# Altium PCB PCB_v6.PcbDoc (part 1 of 7) (continued)
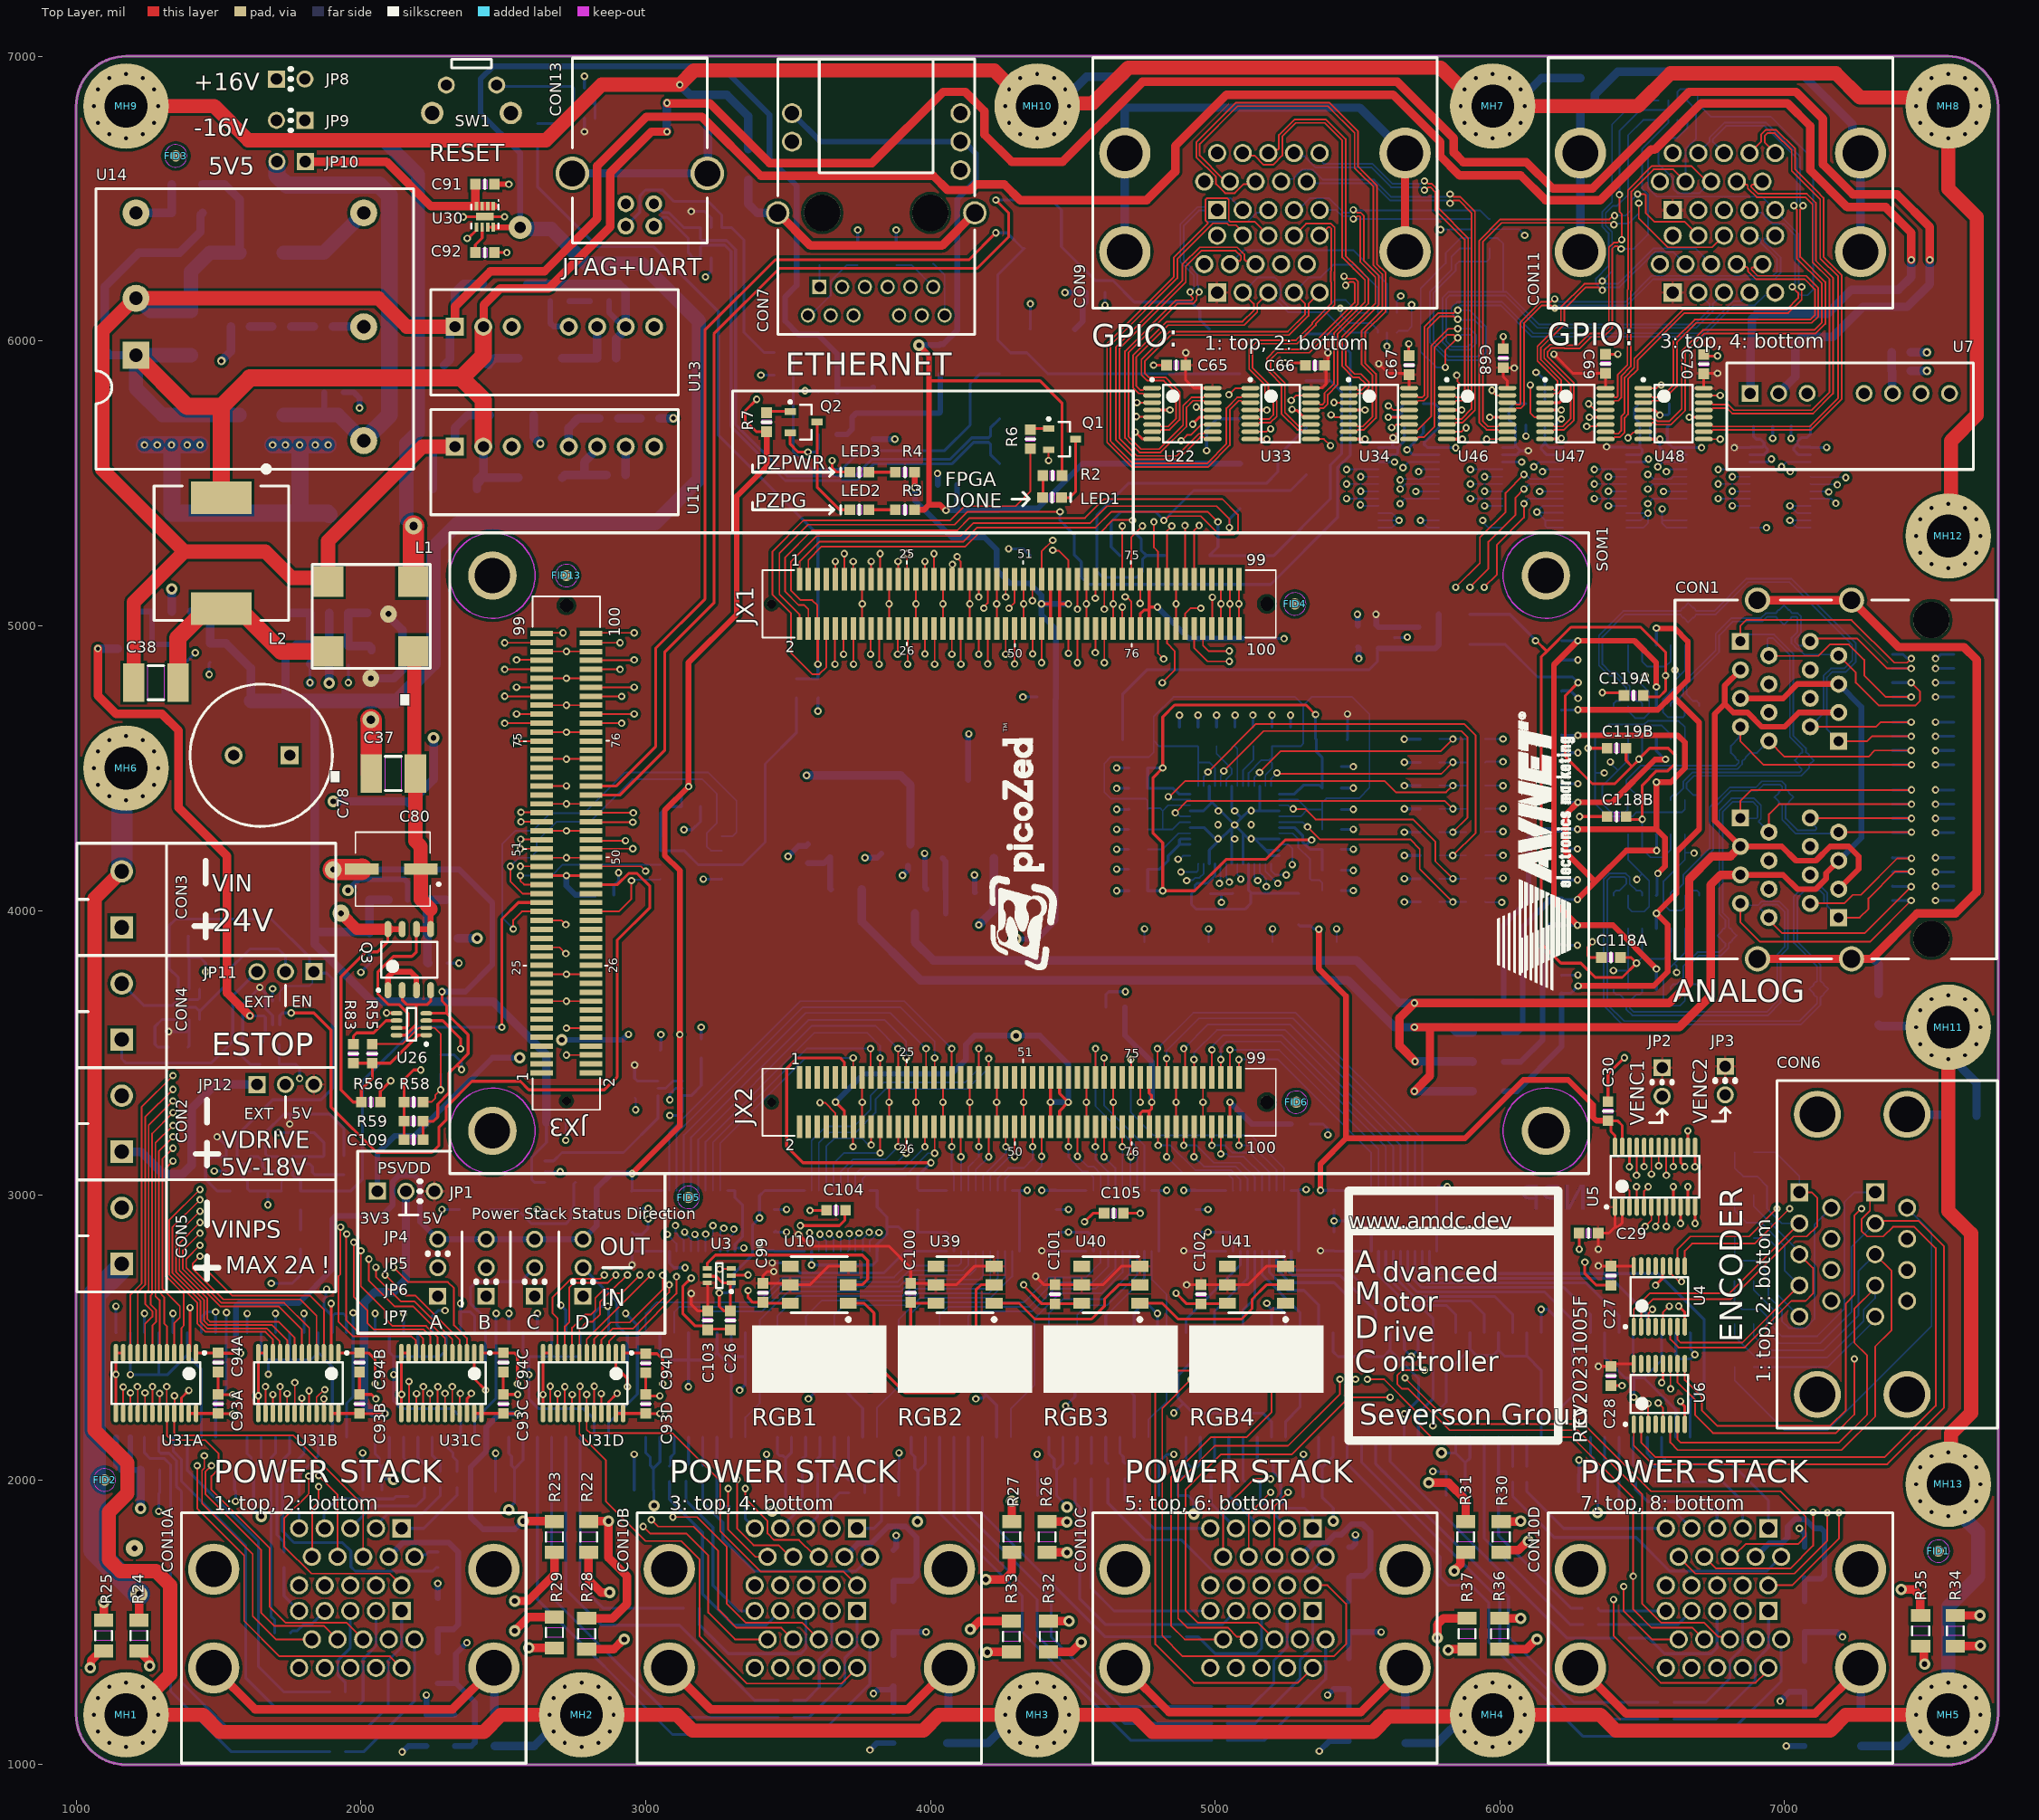
[diagram p0: Top Layer view]
## Components (designator, comment, footprint, x,y, rotation, side; value= is the part's Value field where it differs from the comment) (continued)
C54 "Capacitor" 0603-CAP 2704.68,2949.37 r180 bottom value=10uF
C55 "Capacitor" 0603-CAP 3640,5821.61 r180 bottom value=10uF
C56 "Capacitor" 0603-CAP 3640,5671.61 r180 bottom value=10uF
C57 "Capacitor" 0603-CAP 4190,4063.9 r0 bottom value=1uF
C58 "Capacitor" 0603-CAP 4020,4075 r0 bottom value=1uF
C59 "Capacitor" 0603-CAP 3930,4199.73 r270 bottom value=1uF
C60 "Capacitor" 0603-CAP 3570,4199.73 r90 bottom value=1uF
C61 "Capacitor" 0603-CAP 1821.84,4900 r270 bottom value=10uF
C62 "Capacitor" 0603-CAP 1955.84,4895.75 r270 bottom value=10uF
C63 "Capacitor" 0603-CAP 1470.39,4905 r270 bottom value=10uF
C64 "Capacitor" 0603-CAP 1336.39,4900.75 r270 bottom value=10uF
C65 "Capacitor" 0603-CAP 4863.35,5915 r180 top value=0.1uF
C66 "Capacitor" 0603-CAP 5350.95,5914.3 r180 top value=0.1uF
C67 "Capacitor" 0603-CAP 5681.3,5915 r90 top value=0.1uF
C68 "Capacitor" 0603-CAP 6011.93,5939.51 r90 top value=0.1uF
C69 "Capacitor" 0603-CAP 6371.46,5920 r90 top value=0.1uF
C70 "Capacitor" 0603-CAP 6716.3,5918.69 r90 top value=0.1uF
C71A "Capacitor" 0603-CAP 5417.97,2837.17 r90 bottom value=0.1uF (schematic designator C71)
C71B "Capacitor" 0603-CAP 4932.31,2837.17 r90 bottom value=0.1uF (schematic designator C71)
C71C "Capacitor" 0603-CAP 4442.31,2837.17 r90 bottom value=0.1uF (schematic designator C71)
C71D "Capacitor" 0603-CAP 3954.9,2837.17 r90 bottom value=0.1uF (schematic designator C71)
C71E "Capacitor" 0603-CAP 3452.31,2837.17 r90 bottom value=0.1uF (schematic designator C71)
C71F "Capacitor" 0603-CAP 2952.31,2837.17 r90 bottom value=0.1uF (schematic designator C71)
C72A "Capacitor" 0603-CAP 5845,2030 r180 bottom value=1uF (schematic designator C72)
C72B "Capacitor" 0603-CAP 4835.7,2011.73 r180 bottom value=1uF (schematic designator C72)
C72C "Capacitor" 0603-CAP 3922.59,2030 r180 bottom value=1uF (schematic designator C72)
C72D "Capacitor" 0603-CAP 2993.46,2040 r180 bottom value=1uF (schematic designator C72)
C72E "Capacitor" 0603-CAP 2040,2045 r180 bottom value=1uF (schematic designator C72)
C72F "Capacitor" 0603-CAP 1260,2035 r0 bottom value=1uF (schematic designator C72)
C73A "Capacitor" 0603-CAP 5845,1945 r180 bottom value=0.1uF (schematic designator C73)
C73B "Capacitor" 0603-CAP 4835.7,1945.02 r180 bottom value=0.1uF (schematic designator C73)
C73C "Capacitor" 0603-CAP 3922.59,1945 r180 bottom value=0.1uF (schematic designator C73)
C73D "Capacitor" 0603-CAP 2993.46,1965 r180 bottom value=0.1uF (schematic designator C73)
C73E "Capacitor" 0603-CAP 2040,1965 r180 bottom value=0.1uF (schematic designator C73)
C73F "Capacitor" 0603-CAP 1260,1955 r0 bottom value=0.1uF (schematic designator C73)
C74A "Capacitor" 0603-CAP 5417.97,2982.83 r90 bottom value=0.1uF (schematic designator C74)
C74B "Capacitor" 0603-CAP 4932.31,2982.83 r90 bottom value=0.1uF (schematic designator C74)
C74C "Capacitor" 0603-CAP 4442.31,2982.83 r90 bottom value=0.1uF (schematic designator C74)
C74D "Capacitor" 0603-CAP 3954.9,2982.83 r90 bottom value=0.1uF (schematic designator C74)
C74E "Capacitor" 0603-CAP 3452.31,2982.83 r90 bottom value=0.1uF (schematic designator C74)
C74F "Capacitor" 0603-CAP 2952.31,2982.83 r90 bottom value=0.1uF (schematic designator C74)
C75A "Capacitor" 0603-CAP 6310,2020 r180 bottom value=1uF (schematic designator C75)
C75B "Capacitor" 0603-CAP 5342.2,2001.3 r180 bottom value=1uF (schematic designator C75)
C75C "Capacitor" 0603-CAP 4410,2035 r180 bottom value=1uF (schematic designator C75)
C75D "Capacitor" 0603-CAP 3458.18,2045 r180 bottom value=1uF (schematic designator C75)
C75E "Capacitor" 0603-CAP 2506.41,2040 r180 bottom value=1uF (schematic designator C75)
C75F "Capacitor" 0603-CAP 1590,2045 r180 bottom value=1uF (schematic designator C75)
C76A "Capacitor" 0603-CAP 6309.83,1958.7 r180 bottom value=0.1uF (schematic designator C76)
C76B "Capacitor" 0603-CAP 5342.2,1940 r180 bottom value=0.1uF (schematic designator C76)
C76C "Capacitor" 0603-CAP 4410,1945 r180 bottom value=0.1uF (schematic designator C76)
C76D "Capacitor" 0603-CAP 3458.18,1987.86 r180 bottom value=0.1uF (schematic designator C76)
C76E "Capacitor" 0603-CAP 2506.41,1960 r180 bottom value=0.1uF (schematic designator C76)
C76F "Capacitor" 0603-CAP 1590,1965 r180 bottom value=0.1uF (schematic designator C76)
C77A "Capacitor" 0603-CAP 5754.67,4356.75 r180 bottom value=33nF (schematic designator C77)
C77B "Capacitor" 0603-CAP 5754.67,4520.24 r180 bottom value=33nF (schematic designator C77)
C78 "Cap Pol1" "CAP - UVR1H102MHD1TO" 1750,4545 r180 top value=1000uF
C79A "Capacitor" 0603-CAP 5754.67,4029.76 r180 bottom value=33nF (schematic designator C79)
C79B "Capacitor" 0603-CAP 5754.67,4193.26 r180 bottom value=33nF (schematic designator C79)
C80 "Cap Pol1" "CAP - UWT1V101MCL1GS" 2243,4015 r180 top value=100uF
C81A "Capacitor" 0603-CAP 5754.67,4438.5 r180 bottom value=33nF (schematic designator C81)
C81B "Capacitor" 0603-CAP 5754.67,4601.99 r180 bottom value=33nF (schematic designator C81)
C82A "Capacitor" 0603-CAP 6216.65,4913.8 r90 bottom value=1uF (schematic designator C82)
C82B "Capacitor" 0603-CAP 6216.65,4582.96 r90 bottom value=1uF (schematic designator C82)
C83 "Capacitor" 0603-CAP 2855,4055 r180 bottom value=10uF
C84A "Capacitor" 0603-CAP 6216.65,4736.72 r90 bottom value=1uF (schematic designator C84)
C84B "Capacitor" 0603-CAP 6216.65,4410.88 r90 bottom value=1uF (schematic designator C84)
C85A "Capacitor" 0603-CAP 6216.65,3915.47 r90 bottom value=1uF (schematic designator C85)
C85B "Capacitor" 0603-CAP 6216.65,4249.64 r90 bottom value=1uF (schematic designator C85)
C86A "Capacitor" 0603-CAP 5754.67,4111.51 r180 bottom value=33nF (schematic designator C86)
C86B "Capacitor" 0603-CAP 5754.67,4275 r180 bottom value=33nF (schematic designator C86)
C87 "Capacitor" 0603-CAP 4649.51,3660 r0 bottom value=10uF
C88A "Capacitor" 0603-CAP 6216.65,3738.39 r90 bottom value=1uF (schematic designator C88)
C88B "Capacitor" 0603-CAP 6216.65,4072.56 r90 bottom value=1uF (schematic designator C88)
C89 "Capacitor" 0603-CAP 5130,4955 r180 bottom value=10uF
C90 "Capacitor" 0603-CAP 5299.66,3250 r180 bottom value=10uF
C91 "Capacitor" 0603-CAP 2435.58,6550.47 r180 top value=1uF
C92 "Capacitor" 0603-CAP 2435.58,6310.47 r180 top value=0.1uF
C93A "Capacitor" 0603-CAP 1498.77,2267.17 r90 top value=0.1uF (schematic designator C93)
C93B "Capacitor" 0603-CAP 1995.3,2267.17 r90 top value=0.1uF (schematic designator C93)
C93C "Capacitor" 0603-CAP 2500.3,2267.17 r90 top value=0.1uF (schematic designator C93)
C93D "Capacitor" 0603-CAP 3000.3,2267.17 r90 top value=0.1uF (schematic designator C93)
C93E "Capacitor" 0603-CAP 5698.15,5705 r0 bottom value=0.1uF (schematic designator C93)
C93F "Capacitor" 0603-CAP 6562,5780 r0 bottom value=0.1uF (schematic designator C93)
C93G "Capacitor" 0603-CAP 6125,5780 r0 bottom value=0.1uF (schematic designator C93)
C93H "Capacitor" 0603-CAP 6923.79,5700.75 r0 bottom value=0.1uF (schematic designator C93)
C94A "Capacitor" 0603-CAP 1498.77,2412.83 r270 top value=0.1uF (schematic designator C94)
C94B "Capacitor" 0603-CAP 1995.3,2412.83 r270 top value=0.1uF (schematic designator C94)
C94C "Capacitor" 0603-CAP 2500.3,2412.83 r270 top value=0.1uF (schematic designator C94)
C94D "Capacitor" 0603-CAP 3000.3,2410 r270 top value=0.1uF (schematic designator C94)
C94E "Capacitor" 0603-CAP 5698.15,5780 r180 bottom value=0.1uF (schematic designator C94)
C94F "Capacitor" 0603-CAP 6562,5705 r180 bottom value=0.1uF (schematic designator C94)
C94G "Capacitor" 0603-CAP 6125,5705 r180 bottom value=0.1uF (schematic designator C94)
C94H "Capacitor" 0603-CAP 7057.01,5702.05 r180 bottom value=0.1uF (schematic designator C94)
C95 "Capacitor" 1812-CAP 6960,5980 r0 bottom value="6.8uF, 50V"
C96 "Capacitor" 0603-CAP 7410,5895 r180 bottom value=10uF
C97 "Capacitor" 0603-CAP 7410,5960 r180 bottom value=10uF
C98 "Capacitor" 0603-CAP 5535,5000 r0 bottom value=1uF
C99 "Capacitor" 0603-CAP 3411.91,2656.89 r90 top value=0.1uF
C100 "Capacitor" 0603-CAP 3930.89,2656.89 r90 top value=0.1uF
C101 "Capacitor" 0603-CAP 4437.89,2652.05 r90 top value=0.1uF
C102 "Capacitor" 0603-CAP 4950.65,2652.05 r90 top value=0.1uF
C103 "Capacitor" 0603-CAP 3217.89,2560.47 r270 top value=1uF
C104 "Capacitor" 0603-CAP 3668.69,2947.53 r180 top value=10uF
C105 "Capacitor" 0603-CAP 4643.94,2936.54 r180 top value=10uF
C106 "Capacitor" 0603-CAP 4407.5,4749.88 r0 bottom value=10uF
C107 "Capacitor" 0603-CAP 3159.66,4365 r180 bottom value=0.1uF
C108 "Capacitor" 0603-CAP 2280,3460 r90 bottom value=33nF
C109 "Capacitor" 0603-CAP 2185,3195 r0 top value=33nF
C110 "Capacitor" 0603-CAP 1870,3105 r90 bottom value=0.1uF
C111 "Capacitor" 0603-CAP 1575,3015 r0 bottom value=0.1uF
C112 "Capacitor" 0603-CAP 1940,3105 r90 bottom value=0.1uF
C113 "Capacitor" 0603-CAP 1680,3460 r180 bottom value=0.1uF
C114 "Capacitor" 0603-CAP 1680,3530 r0 bottom value=0.1uF
C115 "Capacitor" 0603-CAP 4060,5495 r0 bottom value=1uF
C116 "Capacitor" 0603-CAP 4580,6170 r180 bottom value=1uF
C117 "Capacitor" 0603-CAP 5535,4925 r0 bottom value=1uF
C118A "Capacitor" 0603-CAP 6390,3835 r180 top value=0.1uF (schematic designator C118)
C118B "Capacitor" 0603-CAP 6410,4330 r180 top value=0.1uF (schematic designator C118)
C119A "Capacitor" 0603-CAP 6470,4755 r180 top value=0.1uF (schematic designator C119)
C119B "Capacitor" 0603-CAP 6410,4570 r180 top value=0.1uF (schematic designator C119)
CON1 "RJSAE538004" RJSAE538004 7515,3900 r90 top locked
CON2 "ScrewTerminal_1x2" 1935161 1160,3251 r90 top
CON3 "ScrewTerminal_1x2" 1935161 1160,4039 r90 top
CON4 "ScrewTerminal_1x2" 1935161 1160,3645 r90 top
CON5 "ScrewTerminal_1x2" 1935161 1160,2857 r90 top
CON6 "L17H2220131" L17H2220131 7430,2792.13 r90 top locked
CON7 "L829-1J1T-43" L829-1J1T-43 3810,6190 r0 top locked
CON9 "178-H15-513R577" 178-H15-513R577 5175,6995 r180 top locked
CON10A "178-H15-513R577" 178-H15-513R577 1975,1005 r0 top locked (schematic designator CON10)
CON10B "178-H15-513R577" 178-H15-513R577 3575,1005 r0 top locked (schematic designator CON10)
CON10C "178-H15-513R577" 178-H15-513R577 5175,1005 r0 top locked (schematic designator CON10)
CON10D "178-H15-513R577" 178-H15-513R577 6775,1005 r0 top locked (schematic designator CON10)
CON11 "178-H15-513R577" 178-H15-513R577 6775,6995 r180 top locked
CON13 "UJ2-BH-4-TH" UJ2-BH-4-TH 2979.58,6993.51 r180 top locked
FID1 "FIDUCIAL" FID_1mm 7540,1750 r90 top
FID2 "FIDUCIAL" FID_1mm 1100,2000 r90 top
FID3 "FIDUCIAL" FID_1mm 1350,6650 r90 top
FID4 "FIDUCIAL" FID_1mm 5280,5076.61 r90 top
FID5 "FIDUCIAL" FID_1mm 3150,2992.17 r90 top
FID6 "FIDUCIAL" FID_1mm 5285,3326.61 r90 top
FID7 "FIDUCIAL" FID_1mm 7540,1750 r90 bottom
FID8 "FIDUCIAL" FID_1mm 6875,2170 r90 bottom
FID9 "FIDUCIAL" FID_1mm 5878.46,2903.93 r90 bottom
FID10 "FIDUCIAL" FID_1mm 7450,6650 r90 bottom
FID11 "FIDUCIAL" FID_1mm 1175,1400 r90 bottom
FID12 "FIDUCIAL" FID_1mm 1350,6650 r90 bottom
FID13 "FIDUCIAL" FID_1mm 2721.73,5176.11 r90 top
JP1 "Jumper3" PIN_HEADER_1X3 2158.11,3014.21 r0 top
JP2 "Jumper2" PIN_HEADER_1x2 6569.98,3397.63 r270 top
JP3 "Jumper2" PIN_HEADER_1x2 6791.76,3402.63 r270 top
JP4 "Jumper3" PIN_HEADER_1X3 2269.89,2745.31 r90 top
JP5 "Jumper3" PIN_HEADER_1X3 2439.92,2745.31 r90 top
JP6 "Jumper3" PIN_HEADER_1X3 2609.96,2745.31 r90 top
JP7 "Jumper3" PIN_HEADER_1X3 2780,2745.31 r90 top
JP8 "Jumper2" PIN_HEADER_1x2 1753.44,6919.88 r0 top
JP9 "Jumper2" PIN_HEADER_1x2 1753.44,6775 r180 top
JP10 "Jumper2" PIN_HEADER_1x2 1755,6630 r180 top
JP11 "Jumper3" PIN_HEADER_1X3 1735,3785 r180 top
JP12 "Jumper3" PIN_HEADER_1X3 1735,3388.8 r0 top
L1 "CMC  744273801" "CMC 744273801" 2184.21,4910 r180 top
L2 "7447709221" 7447709221 1510,5255 r180 top value=220uH
LED1 "LED" 0603-LED 4427.63,5449.92 r180 top value=YELLOW
LED2 "LED" 0603-LED 3750.55,5407.5 r0 top value=RED
LED3 "LED" 0603-LED 3750.55,5539.43 r0 top value=GREEN
M1 "JTAG-SMT3-NC" JTAG-SMT3-NC 4665.24,6096.89 r0 bottom locked
MH1 "MOUNT_HOLE" MOUNTING_HOLE 1175,1175 r0 top locked
MH2 "MOUNT_HOLE" MOUNTING_HOLE 2775,1175 r0 top locked
MH3 "MOUNT_HOLE" MOUNTING_HOLE 4375,1175 r0 top locked
MH4 "MOUNT_HOLE" MOUNTING_HOLE 5975,1175 r0 top locked
MH5 "MOUNT_HOLE" MOUNTING_HOLE 7575,1175 r0 top locked
MH6 "MOUNT_HOLE" MOUNTING_HOLE 1175,4500 r0 top
MH7 "MOUNT_HOLE" MOUNTING_HOLE 5975,6825 r0 top locked
MH8 "MOUNT_HOLE" MOUNTING_HOLE 7575,6825 r0 top locked
MH9 "MOUNT_HOLE" MOUNTING_HOLE 1175,6825 r0 top locked
MH10 "MOUNT_HOLE" MOUNTING_HOLE 4375,6825 r0 top locked
MH11 "MOUNT_HOLE" MOUNTING_HOLE 7575,3590 r0 top locked
MH12 "MOUNT_HOLE" MOUNTING_HOLE 7575,5315 r0 top locked
MH13 "MOUNT_HOLE" MOUNTING_HOLE 7575,1985 r0 top locked
Q1 "MOSFET" SOT95P245X110-3N 4462.91,5655.16 r0 top
Q2 "MOSFET" SOT95P245X110-3N 3555,5715 r0 top
Q3 "Si4946CDY" SOIC127P600X175-8N 2170,3827.24 r90 top
R1 "Resistor" 1206-RES 7330,3653.27 r270 bottom value=0R
R2 "Resistor" 0603-RES 4428.64,5527.6 r180 top value=470
R3 "Resistor" 0603-RES 3910.55,5407.5 r180 top value=470
R4 "Resistor" 0603-RES 3910.55,5539.43 r180 top value=470
R5 "Resistor" 0603-RES 1359.13,3520 r180 bottom value=100
R6 "Resistor" 0603-RES 4351.02,5655.16 r270 top value=100
R7 "Resistor" 0603-RES 3425,5715 r270 top value=100
R8 "Resistor" 0603-RES 1360,3835 r180 bottom value=10k
R9 "Resistor" 1206-RES 7620,3280 r180 bottom value=0R
R10 "Resistor" 1206-RES 3360,6620 r90 bottom value=0R
R11 "Resistor" 0603-RES 6858.07,3150.72 r0 bottom value=100
R12 "Resistor" 0603-RES 6858.07,3000 r0 bottom value=100
R13 "Resistor" 0603-RES 6858.07,2849.28 r0 bottom value=100
R14 "Resistor" 0603-RES 6858.07,2698.57 r0 bottom value=100
R15 "Resistor" 0603-RES 6858.07,2547.85 r0 bottom value=100
R16 "Resistor" 0603-RES 6858.07,2397.13 r0 bottom value=100
R17A "Resistor" 1206-RES 2470,1120 r270 bottom value=0R (schematic designator R17)
R17B "Resistor" 1206-RES 4060,1130 r270 bottom value=0R (schematic designator R17)
R17C "Resistor" 1206-RES 5670,1130 r270 bottom value=0R (schematic designator R17)
R17D "Resistor" 1206-RES 7270,1120 r270 bottom value=0R (schematic designator R17)
R18 "Resistor" 1206-RES 3220,6810 r90 bottom value=0R
R19 "Resistor" 1206-RES 4683,6873.45 r90 bottom value=0R
R20 "Resistor" 1206-RES 6283,6869.06 r90 bottom value=0R
R21 "Resistor" 0603-RES 2620,6730 r270 bottom value=100
R22 "Resistor" 1206-RES 2800,1800 r90 top value=0R
R23 "Resistor" 1206-RES 2680,1800 r90 top value=0R
R24 "Resistor" 1206-RES 1220.3,1453.35 r90 top value=0R
R25 "Resistor" 1206-RES 1096.93,1453.35 r90 top value=0R
R26 "Resistor" 1206-RES 4410,1800 r90 top value=0R
R27 "Resistor" 1206-RES 4285.94,1800 r90 top value=0R
R28 "Resistor" 1206-RES 2793,1460 r90 top value=0R
R29 "Resistor" 1206-RES 2680,1464.13 r90 top value=0R
R30 "Resistor" 1206-RES 6004.67,1800 r90 top value=0R
R31 "Resistor" 1206-RES 5880,1800 r90 top value=0R
R32 "Resistor" 1206-RES 4414.06,1450 r90 top value=0R
R33 "Resistor" 1206-RES 4284.06,1450 r90 top value=0R
R34 "Resistor" 1206-RES 7600,1470 r90 top value=0R
R35 "Resistor" 1206-RES 7478,1470 r90 top value=0R
R36 "Resistor" 1206-RES 5998.52,1460 r90 top value=0R
R37 "Resistor" 1206-RES 5885.14,1460 r90 top value=0R
R38 "Resistor" 0603-RES 3530,4780 r90 bottom value=10k
R39 "Resistor" 0603-RES 2871.04,5728.9 r180 bottom value=10k
R40 "Resistor" 0603-RES 3014.91,5728.9 r180 bottom value=10k
R41 "Resistor" 0603-RES 2698.5,6140 r180 bottom value=10k
R42 "Resistor" 0603-RES 2838.2,6140 r180 bottom value=10k
R43 "Resistor" 0603-RES 1867.87,6051 r0 bottom value=10k
R44 "Resistor" 0603-RES 1721.72,6051 r0 bottom value=10k
R45 "Resistor" 0603-RES 1576.72,6051 r0 bottom value=10k
R46 "Resistor" 1206-RES 1390,6450 r0 bottom value=0R
R47 "Resistor" 1206-RES 1390,6550 r0 bottom value=DNP
R48 "Resistor" 0603-RES 1788.46,2981.54 r270 bottom value=470
R49 "Resistor" 0603-RES 1788.19,2845.31 r270 bottom value=470
R55 "Resistor" 0603-RES 2040,3497.24 r90 top value=390k
R56 "Resistor" 0603-RES 2035,3327.24 r0 top value=178k
R57 "Resistor" 1206-RES 5840,4935 r0 bottom value=0R
R58 "Resistor" 0603-RES 2185,3327.24 r0 top value=4k12
R59 "Resistor" 0603-RES 2185,3260 r0 top value=5k9
R60A "Resistor" 0603-RES 5915.33,4438.5 r0 bottom value=100 (schematic designator R60)
R60B "Resistor" 0603-RES 5915.33,4601.99 r0 bottom value=100 (schematic designator R60)
R61A "Resistor" 0603-RES 5915.33,4356.75 r0 bottom value=100 (schematic designator R61)
R61B "Resistor" 0603-RES 5915.33,4520.24 r0 bottom value=100 (schematic designator R61)
R62A "Resistor" 0603-RES 5915.33,4111.51 r0 bottom value=100 (schematic designator R62)
R62B "Resistor" 0603-RES 5915.33,4275 r0 bottom value=100 (schematic designator R62)
R63A "Resistor" 0603-RES 5915.33,4029.76 r0 bottom value=100 (schematic designator R63)
R63B "Resistor" 0603-RES 5915.33,4193.26 r0 bottom value=100 (schematic designator R63)
R64 "Resistor" 1206-RES 2285.87,3902.33 r180 bottom value=0R
R65 "Resistor" 1206-RES 2400,2949.37 r180 bottom value=0R
R70 "Resistor" 1206-RES 4035,5935 r270 bottom value=0R
R71 "Resistor" 1206-RES 4000,3990 r0 bottom value=0R
R72 "Resistor" 1206-RES 2091.39,4915 r180 bottom value=0R
R73 "Resistor" 1206-RES 1200.91,4920 r0 bottom value=0R
R74 "Resistor" 1206-RES 3705,4073.9 r180 bottom value=0R
R75 "Resistor" 1206-RES 5959.1,3468.33 r0 bottom value=0R
R76 "Resistor" 1206-RES 5959.1,3365 r0 bottom value=0R
R77 "Resistor" 1206-RES 5840,5040 r0 bottom value=0R
R78 "Resistor" 1206-RES 5959.1,3675 r0 bottom value=0R
R79 "Resistor" 1206-RES 5959.1,3571.67 r0 bottom value=0R
R80 "Resistor" 1206-RES 5410,4600 r180 bottom value=0R
R81 "Resistor" 1206-RES 5293.06,4005 r90 bottom value=0R
R82 "Resistor" 1206-RES 4730,4600 r0 bottom value=0R
R83 "Resistor" 0603-RES 1973.46,3497.24 r90 top value=100k
R84 "Resistor" 0603-RES 6798.15,3912.2 r0 bottom value=100k
R85 "Resistor" 0603-RES 6979.97,3723.63 r0 bottom value=100k
R86 "Resistor" 0603-RES 7068.89,4527.61 r0 bottom value=100k
R87 "Resistor" 0603-RES 6845,4553.31 r180 bottom value=100k
R88 "Resistor" 0603-RES 7120,3723.63 r180 bottom value=100k
R89 "Resistor" 0603-RES 6997.73,4397.45 r180 bottom value=100k
R90 "Resistor" 0603-RES 6661.81,5045.71 r90 bottom value=100k
R91 "Resistor" 0603-RES 6997.73,5037.83 r270 bottom value=100k
R92 "Resistor" 0603-RES 3195,3515 r90 bottom value=100k
R93A "Resistor" 1206-RES 2270,1340 r270 bottom value=DNP (schematic designator R93)
R93B "Resistor" 1206-RES 3870,1520 r270 bottom value=DNP (schematic designator R93)
R93C "Resistor" 1206-RES 5470,1520 r270 bottom value=DNP (schematic designator R93)
R93D "Resistor" 1206-RES 7070,1520 r270 bottom value=DNP (schematic designator R93)
R94A "Resistor" 1206-RES 2330,1120 r270 bottom value=DNP (schematic designator R94)
R94B "Resistor" 1206-RES 3870,1330 r90 bottom value=DNP (schematic designator R94)
R94C "Resistor" 1206-RES 5470,1320 r90 bottom value=DNP (schematic designator R94)
R94D "Resistor" 1206-RES 7070,1310 r90 bottom value=DNP (schematic designator R94)
R95A "Resistor" 1206-RES 2270,1530 r270 bottom value=0R (schematic designator R95)
R95B "Resistor" 1206-RES 3870,1700 r270 bottom value=0R (schematic designator R95)
R95C "Resistor" 1206-RES 5470,1710 r270 bottom value=0R (schematic designator R95)
R95D "Resistor" 1206-RES 7070,1710 r270 bottom value=0R (schematic designator R95)
R96A "Resistor" 1206-RES 2230,1120 r90 bottom value=0R (schematic designator R96)
R96B "Resistor" 1206-RES 3870,1130 r90 bottom value=0R (schematic designator R96)
R96C "Resistor" 1206-RES 5470,1137.6 r90 bottom value=0R (schematic designator R96)
R96D "Resistor" 1206-RES 7070,1120 r90 bottom value=0R (schematic designator R96)
R98 "Resistor" 0603-RES 3485,5960 r0 bottom value=4k7
R99 "Resistor" 0603-RES 3485,5880 r0 bottom value=10k
RT1A "0ZCM0004FF2G" PTCC1607X06N 2338.19,2001.75 r270 bottom (schematic designator RT1)
RT1B "0ZCM0004FF2G" PTCC1607X06N 3739.5,2063.54 r0 bottom (schematic designator RT1)
RT1C "0ZCM0004FF2G" PTCC1607X06N 5176,2060.73 r0 bottom (schematic designator RT1)
RT1D "0ZCM0004FF2G" PTCC1607X06N 6641,2054.37 r0 bottom (schematic designator RT1)
RT2A "0ZCM0004FF2G" PTCC1607X06N 1918,1115.94 r0 bottom (schematic designator RT2)
RT2B "0ZCM0004FF2G" PTCC1607X06N 3492.8,1165.94 r0 bottom (schematic designator RT2)
RT2C "0ZCM0004FF2G" PTCC1607X06N 5015,1145 r0 bottom (schematic designator RT2)
RT2D "0ZCM0004FF2G" PTCC1607X06N 6583.18,1160 r0 bottom (schematic designator RT2)
RT3A "0ZCM0004FF2G" PTCC1607X06N 2279.32,2001.75 r270 bottom (schematic designator RT3)
RT3B "0ZCM0004FF2G" PTCC1607X06N 3741.85,1955 r180 bottom (schematic designator RT3)
RT3C "0ZCM0004FF2G" PTCC1607X06N 5131,1995 r0 bottom (schematic designator RT3)
RT3D "0ZCM0004FF2G" PTCC1607X06N 6547.18,2020 r270 bottom (schematic designator RT3)
RT4A "0ZCM0004FF2G" PTCC1607X06N 1918,1185.94 r0 bottom (schematic designator RT4)
RT4B "0ZCM0004FF2G" PTCC1607X06N 3492.8,1225.94 r0 bottom (schematic designator RT4)
RT4C "0ZCM0004FF2G" PTCC1607X06N 5015,1205 r0 bottom (schematic designator RT4)
RT4D "0ZCM0004FF2G" PTCC1607X06N 6583.18,1219.06 r0 bottom (schematic designator RT4)
RT5A "0ZCM0004FF2G" PTCC1607X06N 2222.68,2001.75 r270 bottom (schematic designator RT5)
RT5B "0ZCM0004FF2G" PTCC1607X06N 3603.96,2048.7 r270 bottom (schematic designator RT5)
RT5C "0ZCM0004FF2G" PTCC1607X06N 5047.98,2038.39 r270 bottom (schematic designator RT5)
RT5D "0ZCM0004FF2G" PTCC1607X06N 6476.53,2020 r270 bottom (schematic designator RT5)
RT6A "0ZCM0004FF2G" PTCC1607X06N 1918,1255.94 r0 bottom (schematic designator RT6)
RT6B "0ZCM0004FF2G" PTCC1607X06N 3161.09,1550 r0 bottom (schematic designator RT6)
RT6C "0ZCM0004FF2G" PTCC1607X06N 4870,1448.83 r0 bottom (schematic designator RT6)
RT6D "0ZCM0004FF2G" PTCC1607X06N 6426.53,1445 r0 bottom (schematic designator RT6)
RT7A "0ZCM0004FF2G" PTCC1607X06N 2165.37,1970 r270 bottom (schematic designator RT7)
RT7B "0ZCM0004FF2G" PTCC1607X06N 3550.5,2049.93 r270 bottom (schematic designator RT7)
RT7C "0ZCM0004FF2G" PTCC1607X06N 4986.06,2038.39 r270 bottom (schematic designator RT7)
RT7D "0ZCM0004FF2G" PTCC1607X06N 6418.18,2021.73 r270 bottom (schematic designator RT7)
RT8A "0ZCM0004FF2G" PTCC1607X06N 1725,1462.63 r0 bottom (schematic designator RT8)
RT8B "0ZCM0004FF2G" PTCC1607X06N 3083.84,2021.14 r270 bottom (schematic designator RT8)
RT8C "0ZCM0004FF2G" PTCC1607X06N 4507.9,2030.87 r270 bottom (schematic designator RT8)
RT8D "0ZCM0004FF2G" PTCC1607X06N 6318.18,1492 r0 bottom (schematic designator RT8)
RT9A "0ZCM0004FF2G" PTCC1607X06N 1783,1921.48 r270 bottom (schematic designator RT9)
RT9B "0ZCM0004FF2G" PTCC1607X06N 3322.44,1904.68 r0 bottom (schematic designator RT9)
RT9C "0ZCM0004FF2G" PTCC1607X06N 4682.98,2030.87 r270 bottom (schematic designator RT9)
RT9D "0ZCM0004FF2G" PTCC1607X06N 6095,2020 r270 bottom (schematic designator RT9)
RT10A "0ZCM0004FF2G" PTCC1607X06N 1730,1720 r270 bottom (schematic designator RT10)
RT10B "0ZCM0004FF2G" PTCC1607X06N 3142.11,2023 r270 bottom (schematic designator RT10)
RT10C "0ZCM0004FF2G" PTCC1607X06N 4564.87,2030.87 r270 bottom (schematic designator RT10)
RT10D "0ZCM0004FF2G" PTCC1607X06N 6317.87,1550 r0 bottom (schematic designator RT10)
RT11A "0ZCM0004FF2G" PTCC1607X06N 2270,1720 r90 bottom (schematic designator RT11)
RT11B "0ZCM0004FF2G" PTCC1607X06N 3200.46,2023 r270 bottom (schematic designator RT11)
RT11C "0ZCM0004FF2G" PTCC1607X06N 4623.92,2030.87 r270 bottom (schematic designator RT11)
RT11D "0ZCM0004FF2G" PTCC1607X06N 6045,2020 r270 bottom (schematic designator RT11)
RT12A "0ZCM0004FF2G" PTCC1607X06N 1918,1045.94 r0 bottom (schematic designator RT12)
RT12B "0ZCM0004FF2G" PTCC1607X06N 3492.8,1105.94 r0 bottom (schematic designator RT12)
RT12C "0ZCM0004FF2G" PTCC1607X06N 5015,1085 r0 bottom (schematic designator RT12)
RT12D "0ZCM0004FF2G" PTCC1607X06N 6583.18,1100.02 r0 bottom (schematic designator RT12)
SOM1 "PicoZed" PicoZedSOM 6311.73,3076.11 r90 top locked
SW1 "1825027-5" 1825027-5 2388.47,6898.79 r180 top
TP1 "Test Point" RCU-0C 4751.87,3889.11 r90 bottom
TP2 "Test Point" RCU-0C 4976.87,3889.11 r90 bottom
TP3 "Test Point" RCU-0C 5201.87,3889.11 r90 bottom
TP4 "Test Point" RCU-0C 5426.87,3889.11 r90 bottom
TP5 "Test Point" TP-125 5320,6025 r270 bottom
TP6 "Test Point" TP-125 5320,5530 r270 bottom
TP7 "Test Point" TP-125 5320,5695 r270 bottom
TP8 "Test Point" TP-125 5320,5860 r270 bottom
TP9 "Test Point" TP-125 4330,6325 r180 bottom
TP10 "Test Point" TP-125 4330,6495 r180 bottom
U1 "LTC2320-14" QFN50P700X800X80_HS-53N 5068.5,4300.47 r270 bottom
U2 "REF3020AIDBZT" SOT23-3 5675,4960 r270 bottom
U3 "74LVC1T45GW,125" SOT65P210X110-6N 3258.72,2717.91 r180 top
U4 "AM26C32" TSOP65P640X120-16N 6559.98,2644.39 r90 top
U5 "SN74LVC8T245" TSOP65P640X120-24N 6545,3065 r90 top
U6 "AM26C32" TSOP65P640X120-16N 6559.98,2301.59 r90 top
U7 "PQQ6W-Q24-S24-S" PQQ6W-Q24-S24-S 7079.29,5816.26 r0 top locked
U8 "NUP4114HMR6T1G" TSOP95P280X110-6N 2785,6835 r270 bottom
U9 "EXB-38V121JV" EXB-38V121JV 5587.22,6064.65 r270 bottom value=120R
U10 "IN-PI556FCH" IN-PI556FCH 3609.78,2685.51 r0 top
U11 "DCDC Converter RS6" "RS6 DCDC" 2330,5629.04 r0 top locked
U12 "74LVC1T45GW,125" SOT65P210X110-6N 3085.84,3375.41 r180 bottom
U13 "DCDC Converter RS6" "RS6 DCDC" 2330,6050 r0 top locked
U14 "SHHD003A0A4Z" "DCDC SHHD003A0A41-SRZ" 2010,6450 r0 top locked
U15 "LT1529CQ-5#PBF" 5-DDPAK 2164.3,4037.33 r180 bottom
U16 "AP2112K-1.8TRG1" SOT95P280X145-5N 2700,3082.83 r0 bottom
U17 "AP2114H-3.3TRG1" SOT230P700X180-4N 3915,5746.61 r0 bottom
U18 "MC78M15CDTRKG" DPAK229P991X238-3N 4132.96,4343.9 r90 bottom
U19 "MC79M15CDTRKG" DPAK229P991X238-3N 3737.96,4360.36 r90 bottom
U20 "LT1529CQ-5#PBF" 5-DDPAK 1888.84,5045 r180 bottom
U21 "LT1764EQ-1.8#PBF-ND" 5-DDPAK 1336.39,5050 r180 bottom
U22 "AM26C32" TSOP65P640X120-16N 4885,5745 r0 top locked
U23A "TC4468" "SOIC16_N - wide" 5845,2516.93 r270 bottom (schematic designator U23)
U23B "TC4468" "SOIC16_N - wide" 4897.87,2516.93 r270 bottom (schematic designator U23)
U23C "TC4468" "SOIC16_N - wide" 3932.59,2516.93 r270 bottom (schematic designator U23)
U23D "TC4468" "SOIC16_N - wide" 3000.46,2516.93 r270 bottom (schematic designator U23)
U23E "TC4468" "SOIC16_N - wide" 2050,2516.93 r270 bottom (schematic designator U23)
U23F "TC4468" "SOIC16_N - wide" 1140,2516.93 r270 bottom (schematic designator U23)
U24A "SN74LVC8T245" TSOP65P640X120-24N 5637.97,2910 r270 bottom (schematic designator U24)
U24B "SN74LVC8T245" TSOP65P640X120-24N 5152.31,2910 r270 bottom (schematic designator U24)
U24C "SN74LVC8T245" TSOP65P640X120-24N 4662.31,2910 r270 bottom (schematic designator U24)
U24D "SN74LVC8T245" TSOP65P640X120-24N 4172.31,2910 r270 bottom (schematic designator U24)
U24E "SN74LVC8T245" TSOP65P640X120-24N 3672.31,2910 r270 bottom (schematic designator U24)
U24F "SN74LVC8T245" TSOP65P640X120-24N 3172.31,2910 r270 bottom (schematic designator U24)
U25A "TC4468" "SOIC16_N - wide" 6318.18,2516.93 r270 bottom (schematic designator U25)
U25B "TC4468" "SOIC16_N - wide" 5364.05,2516.93 r270 bottom (schematic designator U25)
U25C "TC4468" "SOIC16_N - wide" 4415.82,2516.93 r270 bottom (schematic designator U25)
U25D "TC4468" "SOIC16_N - wide" 3462.31,2516.93 r270 bottom (schematic designator U25)
U25E "TC4468" "SOIC16_N - wide" 2519.64,2516.93 r270 bottom (schematic designator U25)
U25F "TC4468" "SOIC16_N - wide" 1600,2516.93 r270 bottom (schematic designator U25)
U26 "LTC4365" TSOP65P280X100-8N 2177.56,3600.39 r180 top
U27 "CAT25128VI-GT3" SOIC127P600X175-8N 3159.66,4185.37 r180 bottom
U28A "INA2143UA" SOIC127P600X175-14N 6550,4825 r270 bottom locked (schematic designator U28)
U28B "INA2143UA" SOIC127P600X175-14N 6550,4495 r270 bottom locked (schematic designator U28)
U29A "INA2143UA" SOIC127P600X175-14N 6550,3830 r270 bottom locked (schematic designator U29)
U29B "INA2143UA" SOIC127P600X175-14N 6550,4160 r270 bottom locked (schematic designator U29)
U30 "TPS22965DSGT" SON50P200X80_HS-9N 2435.58,6436.42 r270 top
U31A "SN74LVC8T245" TSOP65P640X120-24N 1280.3,2340 r270 top (schematic designator U31)
U31B "SN74LVC8T245" TSOP65P640X120-24N 1780.3,2340 r270 top (schematic designator U31)
U31C "SN74LVC8T245" TSOP65P640X120-24N 2282.68,2340 r270 top (schematic designator U31)
U31D "SN74LVC8T245" TSOP65P640X120-24N 2780.3,2340 r270 top (schematic designator U31)
U31E "SN74LVC8T245" TSOP65P640X120-24N 5680,5485 r180 bottom locked (schematic designator U31)
U31F "SN74LVC8T245" TSOP65P640X120-24N 6550,5485 r180 bottom locked (schematic designator U31)
U31G "SN74LVC8T245" TSOP65P640X120-24N 6115,5485 r180 bottom locked (schematic designator U31)
U31H "SN74LVC8T245" TSOP65P640X120-24N 6985,5485 r180 bottom locked (schematic designator U31)
U32 "NUP4114HMR6T1G" TSOP95P280X110-6N 1396.54,3670 r270 bottom
U33 "AM26C31" TSOP65P640X120-16N 5230,5745 r0 top locked
U34 "AM26C32" TSOP65P640X120-16N 5575,5745 r0 top locked
U35 "SMDA12CTR" SOIC127P600X175-8N 7486.57,4110 r0 bottom locked
U36 "SMDA12CTR" SOIC127P600X175-8N 7486.57,4825 r0 bottom locked
U37 "SMDA12CTR" SOIC127P600X175-8N 7486.57,4348.33 r0 bottom locked
U38 "SMDA12CTR" SOIC127P600X175-8N 7486.57,4586.67 r0 bottom locked
U39 "IN-PI556FCH" IN-PI556FCH 4121.6,2685.51 r0 top
U40 "IN-PI556FCH" IN-PI556FCH 4633.41,2685.51 r0 top
U41 "IN-PI556FCH" IN-PI556FCH 5145.22,2685.51 r0 top
U42 "74LVC1T45GW,125" SOT65P210X110-6N 1750,3110 r180 bottom
U43 "74AHCT1G08SE-7" SOT65P210X110-5N 1570,3110 r180 bottom
U44 "74LVC1T45GW,125" SOT65P210X110-6N 1690,3640 r270 bottom
U45 "NUP4114HMR6T1G" TSOP95P280X110-6N 3230,6345 r90 bottom
U46 "AM26C31" TSOP65P640X120-16N 5920,5745 r0 top locked
U47 "AM26C32" TSOP65P640X120-16N 6265,5745 r0 top locked
U48 "AM26C31" TSOP65P640X120-16N 6610,5745 r0 top locked
U49 "EXB-38V121JV" EXB-38V121JV 5930.94,6377.18 r180 bottom value=120R
U50 "EXB-38V121JV" EXB-38V121JV 6607.34,6810.75 r270 bottom value=120R

## Footprints (in the part's own frame and the unit in brackets; to place one, negate y for a bottom-side part, rotate by r counter-clockwise, add the part's x,y. Pads: shape width x height; smd on the part's side, far side on the other; paste and mask are expansions set on the pad)
5-DDPAK [mil] "Q PACKAGE  5-LEAD PLASTIC DD"
  rect 42x90 smd: 1(-134,0) 2(-67,0) 3(0,0) 4(67,0) 5(134,0)
  rect 420x350 smd: 6(0,345)
  body extent -200,-37 200,515, height 180
178-H15-513R577 [mil] "CONN D-SUB PLUG 15POS R/A SLDR"
  rect 64x64 hole 44: 1A(168,825) 1B(168,535)
  round 64 hole 44: 2A(78,825) 2B(78,535) 3A(-12,825) 3B(-12,535) 4A(-102,825) 4B(-102,535) 5A(-192,825) 5B(-192,535) 6A(213,725) 6B(213,435) 7A(123,725) 7B(123,435) 8A(33,725) 8B(33,435) 9A(-57,725) 9B(-57,435) 10A(-147,725) 10B(-147,435) 11A(168,625) 11B(168,335) 12A(78,625) 12B(78,335) 13A(-12,625) 13B(-12,335) 14A(-102,625) 14B(-102,335) 15A(-192,625) 15B(-192,335)
  round 180 hole 126: SH1(492,335) SH2(-492,335) SH3(-492,681.46) SH4(492,681.46)
  silkscreen extent -605,0 605,880, body extent -606,-244 607,890, height 1247
0603-CAP [mm]
  rect 0.95x0.95 smd: 1(-0.85,0) 2(0.85,0)
  Top Layer keep-out region: -0.2,0.4 0.2,0.4 0.2,-0.4 -0.2,-0.4
  silkscreen extent 0,-0.38 0,0.38, body extent -0.8,-0.4 0.8,0.4, height 0.79
0603-LED [mm]
  rect 0.95x0.95 smd: A(0.85,0) C(-0.85,0)
  Top Layer keep-out region: -0.2,0.4 0.2,0.4 0.2,-0.4 -0.2,-0.4
  silkscreen extent -1.65,-0.38 0,0.38, body extent -0.83,-0.37 0.82,0.36, height 0.68
0603-RES [mm]
  rect 0.95x0.95 smd: 1(-0.85,0) 2(0.85,0)
  Top Layer keep-out region: -0.2,0.4 0.2,0.4 0.2,-0.4 -0.2,-0.4
  silkscreen extent 0,-0.38 0,0.38, body extent -0.8,-0.4 0.8,0.4, height 0.44
1206-RES [mm] "Chip Resistor, 2-Leads, Body 3.10x1.60mm, IPC Medium Density"
  rect 1.15x1.7 smd: 1(-1.375,0) 2(1.375,0)
  Top Layer keep-out region: -0.4,0.75 -0.4,-0.75 0.4,-0.75 0.4,0.75
  silkscreen extent -0.4,-0.75 0.4,0.75, body extent -1.6,-0.85 1.6,0.85, height 0.65
1808-CAP [mil]
  rect 75x90 smd: 1(-77.48,0) 2(77.48,0)
  Top Layer keep-out region: -28,40 28,40 28,-40 -28,-40
  silkscreen extent -28,-40 28,40
1812-CAP [mil]
  rect 75x135 smd: 1(-77.48,0) 2(77.48,0)
  Top Layer keep-out region: -28,60 28,60 28,-60 -28,-60
  silkscreen extent -28,-60 28,60
1825027-5 [mm] "SWITCH TACTILE SPST-NO 0.05A 24V"
  round 1.524 hole 0.991: 1(-2.25,0) 2(2.25,0)
  round 2 hole 1.295: SH(-3.505,2.49) SH(3.505,2.49)
  silkscreen extent -1.78,-2.29 1.78,-1.52, body extent -4.2,-3.06 4.2,4.09, height 7